# Altium PCB SuperKnobLite_v1.2.PcbDoc
Units mil, origin at the board's own origin, x right, y up, seen from the top; angles counter-clockwise.
Board outline 1653.54 x 905.51 mil, 2 copper layers (Layer 1, Layer 4), stack 12.8 mil thick; 57 components, 49 nets, 249 pads, 202 vias.
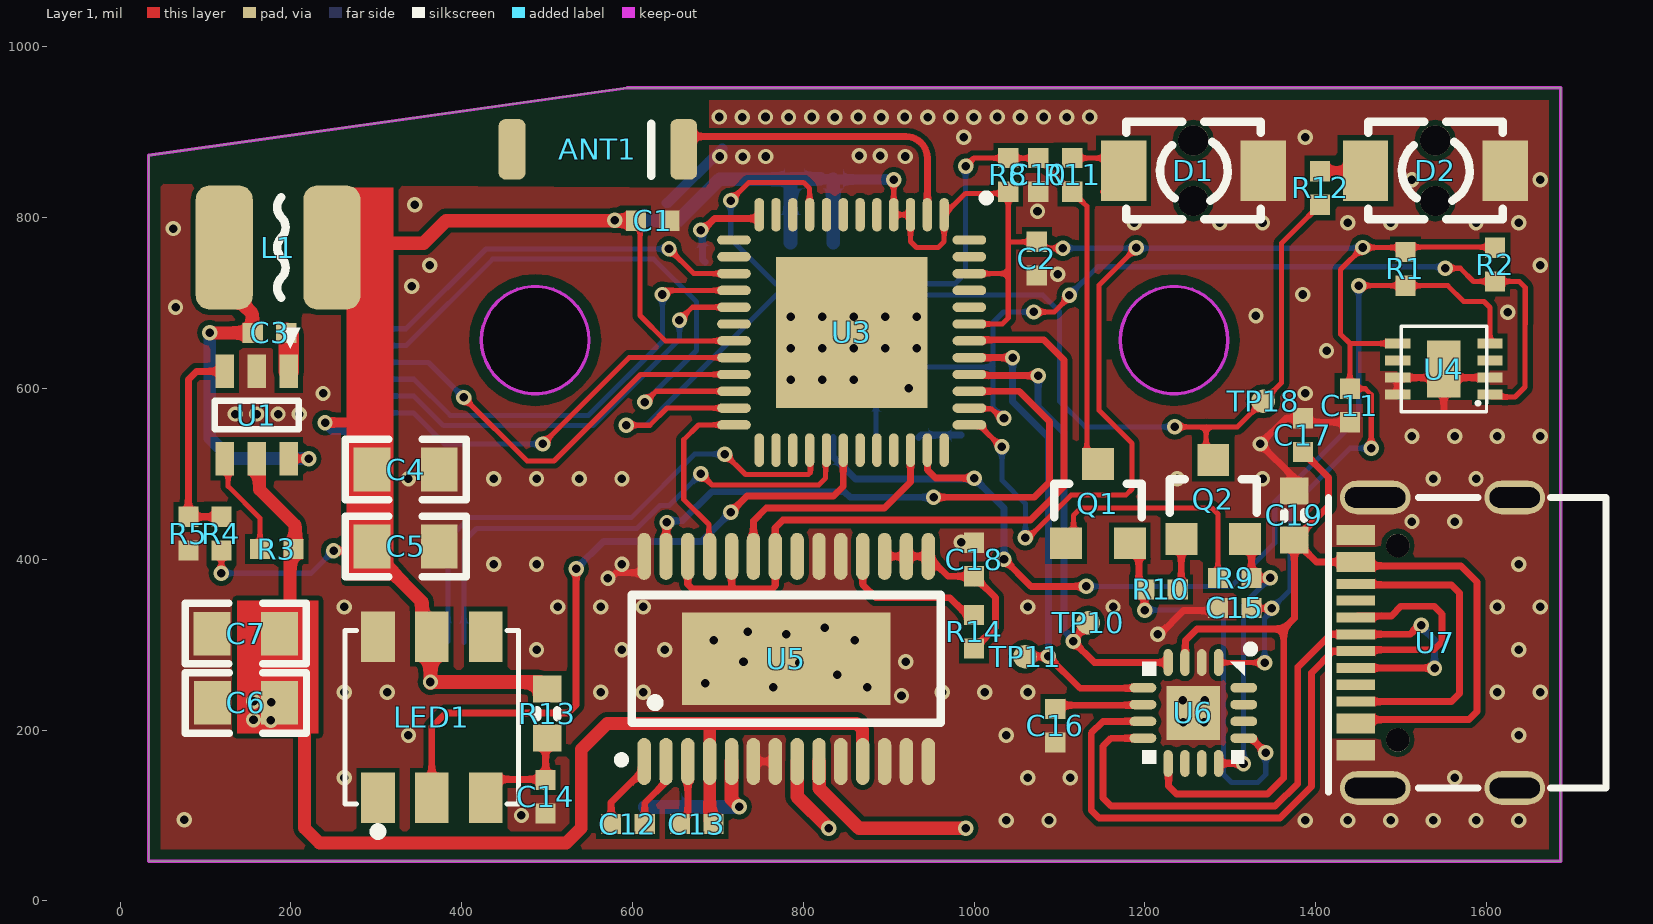
[diagram p0: Layer 1 view]
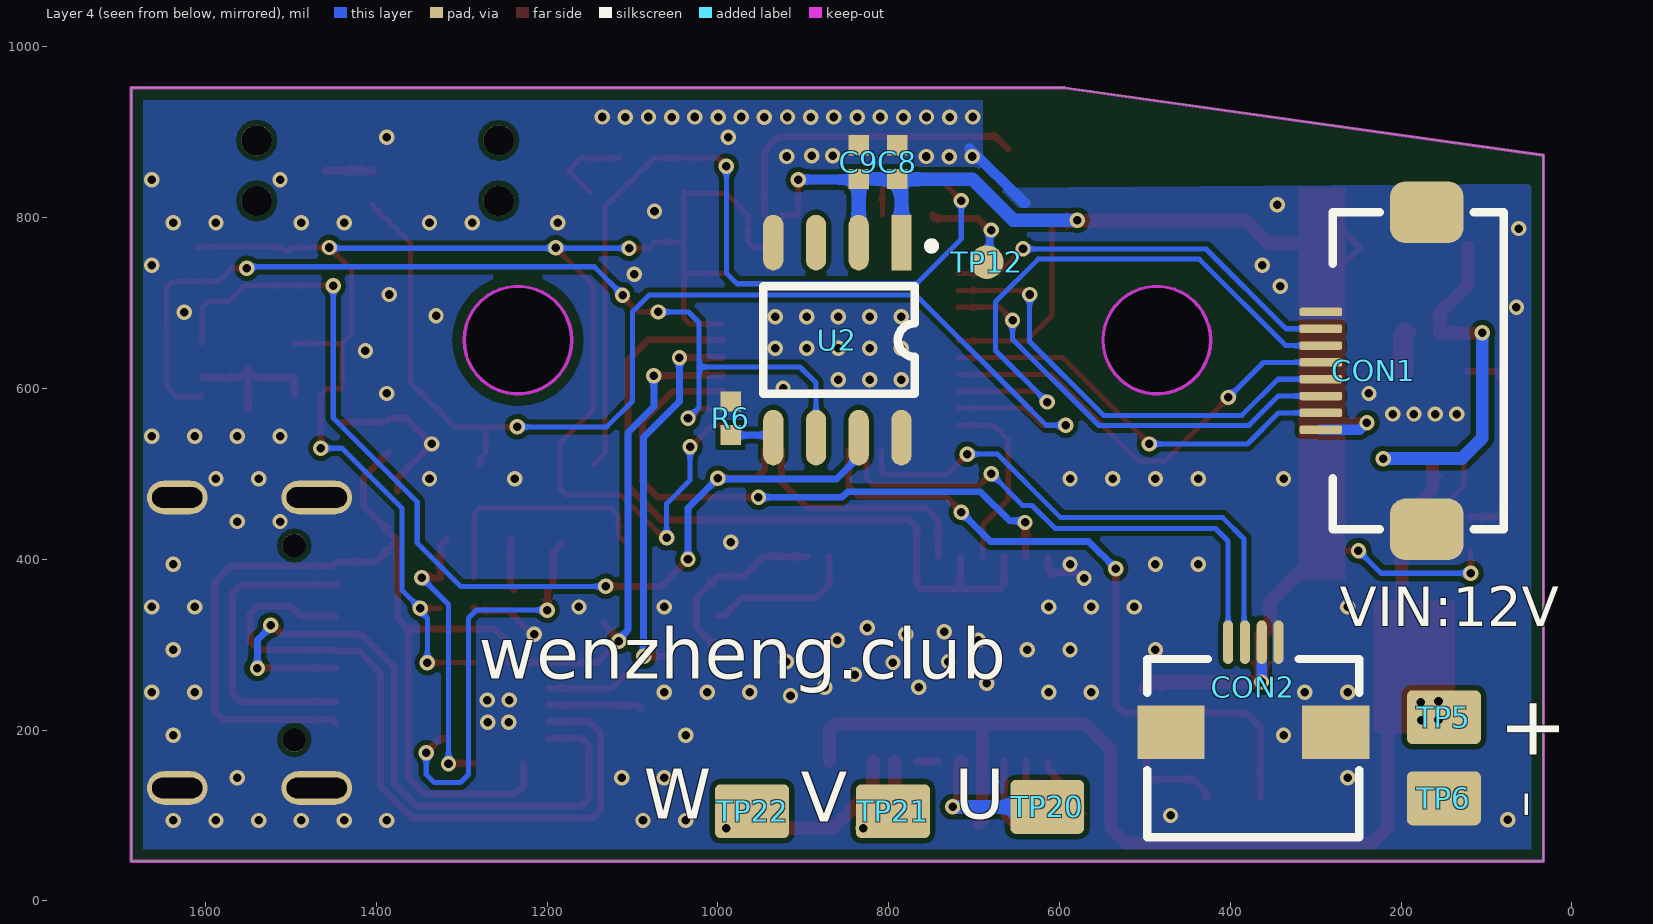
[diagram p1: Layer 4 view, seen from below]
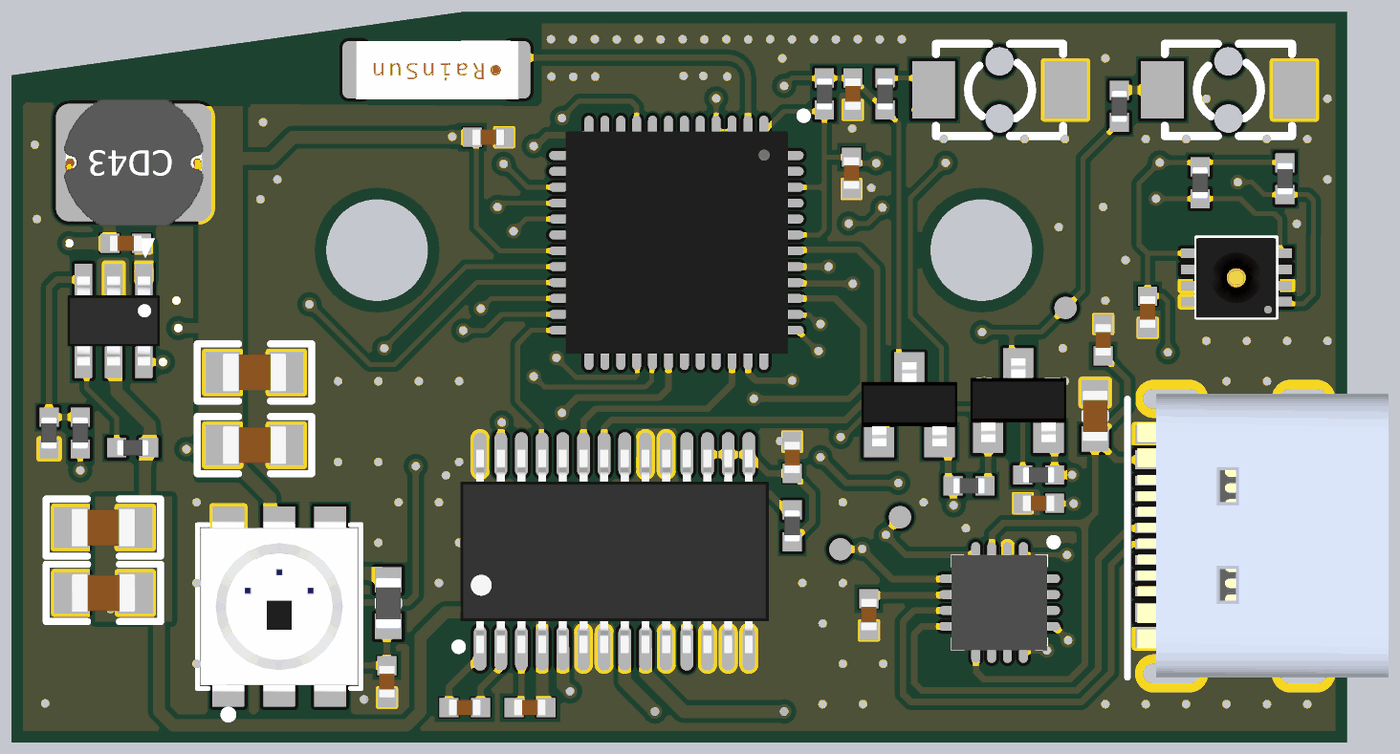
[diagram p2: 3D render of the assembled board from above, using the file's embedded part models]
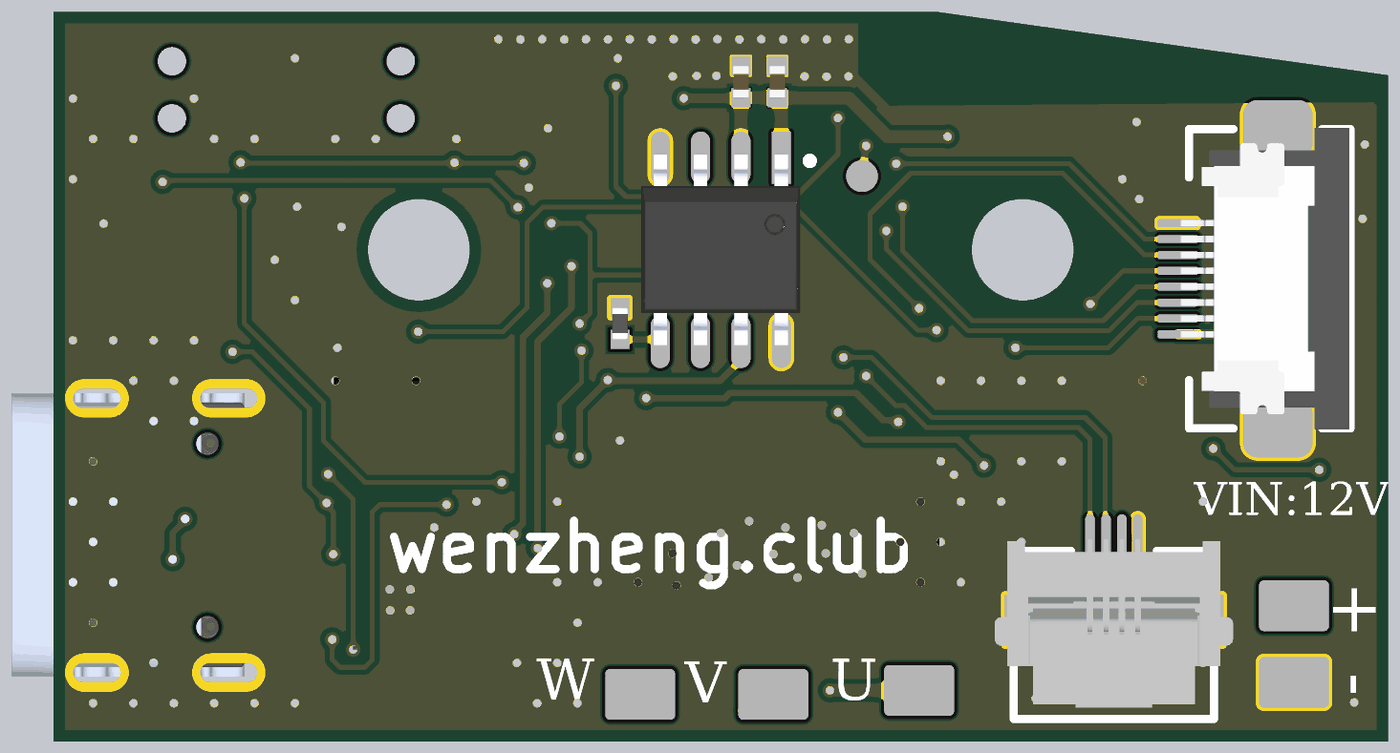
[diagram p3: 3D render of the assembled board from below, using the file's embedded part models]

## Layer stack, top to bottom
Top Solder: solder mask 0.4, Solder Resist, Dk 3.5
Layer 1: signal copper 1.4
Dielectric 2: core 10, PP-006, Dk 4.2
Layer 4: signal copper 1.4
Bottom Solder: solder mask 0.4, Solder Resist, Dk 3.5

## Board outline
33.33,46.33 33.33,873.11 593.6,951.85 1686.88,951.85 1686.88,46.33
cut-out: 486.09,593.58 cw(c486.09,656.57) 423.1,656.57 cw(c486.09,656.57) 486.09,719.56 cw(c486.09,656.57) 549.08,656.57 cw(c486.09,656.57)
cut-out: 1234.12,593.58 cw(c1234.12,656.57) 1171.13,656.57 cw(c1234.12,656.57) 1234.12,719.56 cw(c1234.12,656.57) 1297.11,656.57 cw(c1234.12,656.57)

## Design rules (kind name [scope] priority, off if disabled: settings)
Clearance Clearance_UVW1 [InComponent('TP14') vs InComponent('TP15')] p1: gap=0 ignorepadtopadclearanceinfootprint=FALSE
Clearance Clearance_UVW [InComponent('R15') vs InComponent('TP16')] p2: gap=0 ignorepadtopadclearanceinfootprint=FALSE
Clearance Clearance_outline [OnLayer('Keep-Out Layer')] p3: gap=12 ignorepadtopadclearanceinfootprint=FALSE except(0: Arc-Hole Track-Hole SMDPad-Hole THPad-Hole Via-Hole Fill-Hole Poly-Hole Region-Hole Text-Hole)
Clearance [All] p4: gap=6 ignorepadtopadclearanceinfootprint=FALSE except(0: Arc-Hole Track-Hole SMDPad-Hole THPad-Hole Via-Hole Fill-Hole Poly-Hole Region-Hole Text-Hole; 7: SMDPad-SMDPad; 8: Arc-Via Track-Via SMDPad-Via THPad-Via Via-Via)
DiffPairsRouting [All] p1: maxlimit=10 minlimit=8 mostfreqgap=8 toplayer_minwidth=8 toplayer_maxwidth=8 toplayer_prefwidth=8 bottomlayer_minwidth=8 bottomlayer_maxwidth=8 bottomlayer_prefwidth=8 maxuncoupledlength=500
HoleToHoleClearance [All] p1: gap=0 allowstackedmicrovias=TRUE
MinimumSolderMaskSliver [All] p1: minsoldermaskwidth=0
PolygonConnect [All] p1: connectstyle=Direct reliefconductorwidth=10 reliefentries=4 polygonreliefangle="90 Angle" airgapwidth=10
RoutingVias [All] p1: holewidth=10 width=18 viastyle="Through Hole" minholewidth=10 minwidth=18 maxholewidth=10 maxwidth=18
SilkToSilkClearance [All] p1: silktosilkclearance=0
SilkToSolderMaskClearance [IsPad] p1: minsilkscreentomaskgap=0 clearancetoexposedcopper=TRUE
SolderMaskExpansion [All] p1: expansion=4 istentingtop=FALSE
Width [All] p1: maxlimit=100 minlimit=6 preferedwidth=6
25 further rules are at their usual default settings.

## Components (designator, comment, footprint, x,y, rotation, side; value= is the part's Value field where it differs from the comment)
ANT1 "RAINSUN" ANT-RAINSUN-AN5120 560,880 r180 top
C1 "1uF/10V" CAPC_0402 623.8,796.41 r180 top value=0.1u
C2 "100nF/25V" CAPC_0402 1073.4,751.97 r90 top value=0.1u
C3 "10nF/25V" CAPC_0402 175,665 r0 top value=0.1u
C4 "22uF/6.3V" CAPC_0805 334.37,505 r180 top value=0.1u
C5 "22uF/6.3V" CAPC_0805 334.37,415 r180 top value=0.1u
C6 "10uF/16V" CAPC_0805 147.4,231.89 r0 top value=0.1u
C7 "10uF/16V" CAPC_0805 147.17,312.84 r0 top value=0.1u
C8 "100nF/25V" CAPC_0402 790,865 r270 bottom value=0.1u
C9 "10uF/10V" CAPC_0402 835.1,865 r270 bottom value=0.1u
C10 "100nF/25V" CAPC_0402 1075,850 r90 top value=0.1u
C11 "100nF/25V" CAPC_0402 1440,580 r90 top value=0.1u
C12 "10nF/25V" CAPC_0402 594.69,90 r180 top value=0.1u
C13 "100nF/25V" CAPC_0402 675.32,90 r180 top value=0.1u
C14 "100nF/25V" CAPC_0402 498.25,122 r270 top value=0.1u
C15 "100nF/25V" CAPC_0402 1305.1,343.01 r180 top value=0.1u
C16 "100nF/25V" CAPC_0402 1095,205 r90 top value=0.1u
C17 "100nF/25V" CAPC_0402 1385,545.31 r270 top value=0.1u
C18 "470nF/25V" CAPC_0402 1000,399.68 r270 top value=0.1u
C19 "10uF" CAPC_0603 1375,451.26 r270 top
CON1 "FPC_0.5mm_8P" FFC_0.5_8 205,620.63 r90 bottom
CON2 "FPC_0.5mm_4P" FPC_0.5_4P 373.09,250.09 r180 bottom
D1 "KEY_M" KEY 1256.69,855 r180 top
D2 "KEY_M" KEY 1540,855 r180 top
L1 "2.2uH/2A" INDUCTOR_CD_43 185,765 r180 top value=WPN4020H2R2MT
LED1 "WS2812S-W" LED-SMD_6P-L5.0-W5.0-TL 365,215 r90 top locked
Q1 "MMBT3904" SOT23_3 1145,465 r270 top
Q2 "MMBT3904" SOT23_3 1280,470 r270 top
R1 "10K" RESC_0402 1505,740 r90 top value=22R
R2 "10K" RESC_0402 1610,745 r90 top value=22R
R3 "100K" RESC_0402 183.58,411.85 r180 top value=22R
R4 "100K" RESC_0402 118.66,430 r90 top value=22R
R5 "22.2K" RESC_0402 80,430 r270 top value=22R
R6 "1K" RESC_0402 985,565 r90 bottom value=22R
R8 "10K" RESC_0402 1040,850 r90 top value=22R
R9 "12K" RESC_0402 1305.1,378.01 r0 top value=22R
R10 "12K" RESC_0402 1218.82,364.61 r180 top value=22R
R11 "1K" RESC_0402 1115,850 r270 top value=22R
R12 "1K" RESC_0402 1405,834.68 r270 top value=22R
R13 "150R" RESC_0603 500,219.21 r270 top value=22R
R14 "10K" RESC_0402 1000,315 r270 top value=22R
TP5 "TP" TP_1.6x2.2mm 150,215 r270 bottom
TP6 "TP" TP_1.6x2.2mm 150,120 r270 bottom
TP10 "TP" TP 1133.46,325.76 r90 top
TP11 "TP" TP 1059.59,285.96 r90 top
TP12 "TP" "TP - 1mm" 685.13,747.91 r90 bottom
TP18 "TP" TP 1338.39,585 r90 top
TP20 "U" TP_1.6X2.2MM 614.37,110 r90 bottom
TP21 "V" TP_1.6X2.2MM 795,105 r90 bottom
TP22 "W" TP_1.6X2.2MM 960,105 r90 bottom
U1 "LP6460B6F" SOT23_6 160,568.82 r270 top
U2 "AS5600-ASOT" SOIC_8 860.1,656.57 r0 bottom locked
U3 "ESP32_SIP" QFN-48_7X7 855,655 r270 top
U4 "SHT30-DIS-B" DFN_8 1550,622.68 r180 top
U5 "DRV8313PWP" TSSOP_28 780,283.31 r0 top locked
U6 "CH343P" QFN16_3X3 1256.69,220 r270 top value=Value
U7 "TYPE-C_16P" Type_c_16p 1540,302.24 r90 top locked

## Footprints (in the part's own frame and the unit in brackets; to place one, negate y for a bottom-side part, rotate by r counter-clockwise, add the part's x,y. Pads: shape width x height; smd on the part's side, far side on the other; paste and mask are expansions set on the pad)
ANT-RAINSUN-AN5120 [mm] "选择焊盘"
  rrect50% 0.8x1.8 smd: 1(-2.54,0) ""(2.563,0)
  silkscreen extent -1.57,-0.76 -1.57,0.79, body extent -2.57,-0.91 2.54,0.94, height 1.32
CAPC_0402 [mm]
  rect 0.6x0.6 smd mask+0.051: 1(-0.5,0) 2(0.5,0)
  body extent -0.5,-0.25 0.5,0.25, height 0.5
CAPC_0603 [mm]
  rect 0.8x0.85 smd: 1(-0.73,0) 2(0.73,0)
  silkscreen extent -0.1,-0.3 0.1,0.3, body extent -0.8,-0.4 0.8,0.4, height 0.6
CAPC_0805 [mm]
  rect 1.1x1.3 smd: 1(-1,0) 2(1,0)
  silkscreen extent -1.8,-0.9 1.8,0.9, body extent -1,-0.6 1,0.6, height 0.95
DFN_8 [mm]
  rect 0.75x0.3 smd: 1(-1.37,0.762) 2(-1.37,0.254) 3(-1.37,-0.254) 4(-1.37,-0.762) 5(1.37,-0.762) 6(1.37,-0.254) 7(1.37,0.254) 8(1.37,0.762)
  rect 1.001x1.702 smd: 9(0,0)
  silkscreen extent -1.27,-1.27 1.27,1.27, body extent -1.25,-1.24 1.27,1.26, height 0.9
FFC_0.5_8 [mil]
  rrect50% 72x86 smd: 0(-185.63,-35) 0(185.63,-35)
  rrect50% 10x50 smd: 1(-68.9,89) 2(-49.21,89) 3(-29.53,89) 4(-9.84,89) 5(9.84,89) 6(29.53,89) 7(49.21,89) 8(68.9,89)
  silkscreen extent -186,-125 186,75, body extent -187,-124 187,87, height 82
FPC_0.5_4P [mm]
  rect 2x1.6 smd: 0(-2.45,-1.34) 0(2.45,-1.34)
  oval 0.3x1.3 smd: 1(-0.75,1.34) 2(-0.25,1.34) 3(0.25,1.34) 4(0.75,1.34)
  silkscreen extent -3.15,-4.46 3.15,0.84, body extent -3.75,-4.1 3.75,1.2, height 1.88
INDUCTOR_CD_43 [mm]
  rrect50% 1.7x3.7 smd: 1(-1.6,0) 2(1.6,0)
  silkscreen extent -0.22,-1.5 0.02,1.5, body extent -2.2,-2 2.2,2, height 3.25
KEY [mm]
  rect 1.35x1.8 smd: 1(-2.075,0) 2(2.075,0)
  round 0.9 hole 0.9 unplated: ""(0,0.9) ""(0,-0.9)
  silkscreen extent -2,-1.45 2,1.45
LED-SMD_6P-L5.0-W5.0-TL [mm]
  rect 1.5x1 smd: 1(-2.4,1.6) 2(-2.4,0) 3(-2.4,-1.6) 4(2.4,-1.6) 5(2.4,0) 6(2.4,1.6)
  silkscreen extent -3.52,-2.58 2.58,2.58, body extent -2.7,-2.47 2.7,2.48, height 1.6
QFN16_3X3 [mm]
  oval 0.8x0.28 smd: 1(-1.5,0.75) 2(-1.5,0.25) 3(-1.5,-0.25) 4(-1.5,-0.75) 9(1.5,-0.75) 10(1.5,-0.25) 11(1.5,0.25) 12(1.5,0.75)
  oval 0.28x0.8 smd: 5(-0.75,-1.5) 6(-0.25,-1.5) 7(0.25,-1.5) 8(0.75,-1.5) 13(0.75,1.5) 14(0.25,1.5) 15(-0.25,1.5) 16(-0.75,1.5)
  rect 1.6x1.6 smd: 17(0,0)
  silkscreen extent -2,-1.53 1.52,1.8, body extent -1.52,-1.53 1.53,1.52, height 0.9
QFN-48_7X7 [mm]
  rect 4.5x4.5 smd: 0(-0.268,0.042)
  oval 1x0.28 smd: 1(-3.768,2.792) 2(-3.768,2.292) 3(-3.768,1.792) 4(-3.768,1.292) 5(-3.768,0.792) 6(-3.768,0.292) 7(-3.768,-0.208) 8(-3.768,-0.708) 9(-3.768,-1.208) 10(-3.768,-1.708) 11(-3.768,-2.208) 12(-3.768,-2.708) 25(3.232,-2.708) 26(3.232,-2.208) 27(3.232,-1.708) 28(3.232,-1.208) 29(3.232,-0.708) 30(3.232,-0.208) 31(3.232,0.292) 32(3.232,0.792) 33(3.232,1.292) 34(3.232,1.792) 35(3.232,2.292) 36(3.232,2.792)
  oval 0.28x1 smd: 13(-3.018,-3.458) 14(-2.518,-3.458) 15(-2.018,-3.458) 16(-1.518,-3.458) 17(-1.018,-3.458) 18(-0.518,-3.458) 19(-0.018,-3.458) 20(0.482,-3.458) 21(0.982,-3.458) 22(1.482,-3.458) 23(1.982,-3.458) 24(2.482,-3.458) 37(2.482,3.542) 38(1.982,3.542) 39(1.482,3.542) 40(0.982,3.542) 41(0.482,3.542) 42(-0.018,3.542) 43(-0.518,3.542) 44(-1.018,3.542) 45(-1.518,3.542) 46(-2.018,3.542) 47(-2.518,3.542) 48(-3.018,3.542)
  silkscreen extent -4.37,3.94 -4.17,4.14, body extent -3.79,-3.46 3.23,3.56, height 0.78
RESC_0402 [mm]
  rect 0.6x0.6 smd: 1(-0.5,0) 2(0.5,0)
  body extent -0.5,-0.25 0.5,0.25, height 0.38
RESC_0603 [mm]
  rect 0.8x0.85 smd: 1(-0.73,0) 2(0.73,0)
  silkscreen extent -0.1,-0.3 0.1,0.3, body extent -0.8,-0.4 0.8,0.4, height 0.38
SOIC_8 [mm]
  rect 0.6x1.65 smd: 1(-1.905,-2.9)
  oval 0.6x1.65 smd: 2(-0.635,-2.9) 3(0.635,-2.9) 4(1.905,-2.9) 5(1.905,2.9) 6(0.635,2.9) 7(-0.635,2.9) 8(-1.905,2.9)
  silkscreen extent -2.9,-2.9 2.2,1.6, body extent -2.5,-3.01 2.5,3.01, height 1.75
SOT23_3 [mm]
  rect 0.95x0.95 smd: 1(1.175,-0.95) 2(1.175,0.95) 3(-1.175,0)
  silkscreen extent -0.6,-1.3 0.4,1.3, body extent -1.34,-1.5 1.3,1.5, height 1.08
SOT23_6 [mm]
  rect 1x0.55 smd: 1(-1.3,0.95) 2(-1.3,0) 3(-1.3,-0.95) 4(1.3,-0.95) 5(1.3,0) 6(1.3,0.95)
  silkscreen extent -2.6,-1.25 0.43,1.3, body extent -1.4,-1.45 1.4,1.45, height 1.45
TP [mm]
  round 0.7 smd: 1(0,0)
"TP - 1mm" [mm]
  round 1 smd: 1(0,0)
TP_1.6x2.2mm [mm]
  rrect20% 1.6x2.2 smd: 1(0,0)
TP_1.6X2.2MM [mm]
  rrect20% 1.6x2.2 smd: 1(0,0)
TSSOP_28 [mm] "0.65"
  oval 0.4x1.4 smd: 1(-4.225,-3.05) 2(-3.575,-3.05) 3(-2.925,-3.05) 4(-2.275,-3.05) 5(-1.625,-3.05) 6(-0.975,-3.05) 7(-0.325,-3.05) 8(0.325,-3.05) 9(0.975,-3.05) 10(1.625,-3.05) 11(2.275,-3.05) 12(2.925,-3.05) 13(3.575,-3.05) 14(4.225,-3.05) 15(4.225,3.05) 16(3.575,3.05) 17(2.925,3.05) 18(2.275,3.05) 19(1.625,3.05) 20(0.975,3.05) 21(0.325,3.05) 22(-0.325,3.05) 23(-0.975,3.05) 24(-1.625,3.05) 25(-2.275,3.05) 26(-2.925,3.05) 27(-3.575,3.05) 28(-4.225,3.05)
  rect 6.2x2.75 smd: 29(0,0)
  silkscreen extent -5,-3.1 4.6,1.9, body extent -4.85,-3.2 4.85,3.2, height 1.2
Type_c_16p [mm]
  oval 1x1.8 hole 0.61 slot 1.5 at 90 deg: 0(-4.32,-2.362) 0(4.32,-2.362)
  oval 1x2.1 hole 0.61 slot 1.8 at 90 deg: 0(-4.32,1.787) 0(4.32,1.787)
  rect 0.6x1.15 smd: A1B12(-3.2,2.363) A4B9(-2.4,2.363) B1A12(3.2,2.363) B4A9(2.4,2.363)
  rect 0.3x1.15 smd: A5(-1.25,2.363) A6(-0.25,2.363) A7(0.25,2.363) A8(-1.75,2.363) B5(1.75,2.363) B6(0.75,2.363) B7(-0.75,2.363) B8(1.25,2.363)
  round 0.7 hole 0.7 unplated: ""(-2.89,1.117) ""(2.89,1.117)
  silkscreen extent -4.44,-5.08 4.32,3.18, body extent -4.45,-5.04 4.49,2.86, height 3.26

## Part data
ANT1: library part ANT-Rainsun-AP5120, "贴片天线"
C1 C2 C3 C4 C5 C6 C7 C8 C9 C10 C11 C12 C13 C14 C15 C16 C17 C18: library part 电容-0402, "贴片电容"
C19: library part Cap
CON1 CON2: "FPC连接器"
D1 D2: library part KEY, "按键"
L1: library part PL4020, "贴片电感", Material name=功率电感, PCB DECAL=PL4020
LED1: BOM_JLCPCB Part Class="Extended Part", BOM_Manufacturer=Worldsemi, BOM_Manufacturer Part=WS2812S-W, BOM_Supplier=LCSC, BOM_Supplier Part=C114584, Contributor=LCSC, spicePre=L, spiceSymbolName=WS2812S-W
Q1 Q2: library part SMT_TRIODE_NPN, "Surface mount NPN transistor, package SOT-23"
R1 R2 R3 R4 R5 R6 R8 R9 R10 R11 R12 R13 R14: library part 电阻-0402, "贴片电阻"
TP5 TP6 TP10 TP11 TP12 TP18: "测试点"
TP20 TP21 TP22: library part TP, "测试点"
U1: "DC-DC芯片"
U2: "磁编码器", BOM_JLCPCB Part Class="Extended Part", BOM_Manufacturer="Advanced Monolithic Systems", BOM_Manufacturer Part=AS5600-ASOT, BOM_Supplier=LCSC, BOM_Supplier Part=C499458, Contributor=LCSC, spicePre=U, spiceSymbolName=AS5600-ASOT
U3: library part ESP32-PICO, "主控芯片"
U4: "Sensor"
U5: "驱动芯片", BOM_Manufacturer=TI(德州仪器), BOM_Manufacturer Part=DRV8313PWP, BOM_Supplier=LCSC, BOM_Supplier Part=C2863441, Contributor=LCSC, spicePre=U, spiceSymbolName=DRV8313PWP
U6: "USB转TTL", PART NUMBER=CP2102, MFG #1="SILICON LABS", PART DESC="SINGLE-CHIP USB TO UART BRIDGE, QFN28, RoHS.", RefDes=RefDes, Type=DEV
U7: "Type-c"

## Via types
v1: diameter 18, hole 10, Layer 1 to Layer 4, tented both sides, 202 vias

## Nets (pads, with @x,y where several pads share a name; then routed paths per layer and width w, separated by ;. In a path a pad name is that pad's centre, name@x,y a point inside that pad or via, vN(x,y) a via of type N, cw(c..) or ccw(c..) an arc to the next point about the centre after c; other vN are vias at no path point)
3V3: C1.2 C2.2 C4.2 C5.2 C8.2 C9.2 C11.2 C15.1 CON1.1 CON2.3 L1.1 LED1.5 R1.2 R2.2 R4.1 R8.1 R13.1 U2.1 U2.2 U3.1 U3.3 U3.4 U3.19 U3.37 U3.43 U3.46 U4.5 U6.1 | length 4267.4
  Layer 1 w6: v1(118.66,383.66) R4.1 ; L1.1 L1.1@267.99,745 ; v1(250,410) 290,410 C5.2 ; C1.2 608.92,791.61 608.92,685.29 638.48,655.72 U3.19 ; v1(905.94,844.53) 905.87,844.46 U3.4 U3.3 925.56,772.03 932.59,765 952.5,765 952.57,765.07 957.9,765.07 964.93,772.1 U3.1 990,828.43 1038.12,828.43 R8.1 1040,770 ; U3.37 1005.83,557.3 1032.6,530.53 v1(1032.6,531.54) ; U3.43 1032.97,675.41 1040,682.44 1040,734.46 ; U3.46 1040,734.46 ; v1(1060,425) 1063.38,425 1113.38,475 1177.64,475 1185,482.36 1185,535.7 1146.24,574.47 1146.24,720.92 v1(1190,764.68) ; v1(1104.05,764.16) 1080.89,764.16 C2.2 1041.66,771.66 1040,770 ; U6.1 1286.34,278.94 v1(1340.13,278.94) ; C15.1 1325.29,342.5 v1(1348.42,342.5) ; v1(1465,530) 1465,592.68 1457.99,599.68 C11.2 1440,652.52 ; U4.5 1440.16,652.68 1440,652.52 ; R2.2 1609.26,765.42 1510.74,765.42 R1.2 1499.69,765 v1(1455,765) 1429.14,739.14 1429.14,663.38 1440,652.52 ; 1040,734.46 1040,770
  Layer 1 w8: L1.1 307.99,825
  Layer 1 w12: v1(240,560) 275,560
  Layer 1 w16: C5.2 295,408.55 297.51,408.55 311,395.06 311,392.55 353.32,350.23 353.32,321.17 LED1.5 363.47,307.96 v1(363.47,256.29) ; 310,770 355.36,770 381.77,796.41 C1.2 ; v1@363.47,255.04 v1(363.47,256.29) ; R13.1 491.67,256.29 v1(363.47,256.29)
  Layer 4 w6: v1(118.66,383.66) 223.66,383.66 v1(250,410) ; v1(1032.6,531.54) 1032.6,492.38 1060,464.98 v1(1060,425) ; v1(1104.05,764.16) 1454.16,764.16 v1(1455,765) ; v1(1340.13,278.94) 1340.13,330.97 1348.42,339.25 v1(1348.42,342.5) 1369.74,363.82 1369.74,459.74 1440,530 v1@1460,530
  Layer 4 w12: v1(240,560) 248.27,551.73 CON1.1 ; CON2.3 363.16,302.76 363.16,254.73 363.47,255.04 v1(363.47,256.29) ; 820,845.31 820.32,845 835.1,845 835.58,844.53 v1(905.94,844.53)
  Layer 4 w16: v1(579.13,797.06) 654.06,797.06 702,845 786.19,845 786.5,845.31 C8.2 ; U2.1 785.1,840.42 C8.2 ; 820,845.31 C8.2 ; U2.2 C9.2@835.1,845
12V: C6.2 C7.2 C13.1 R3.1 TP5.1 U1.5 U5.4 U5.11 | length 1419
  Layer 1 w15: U1.5 163.33,514.31 163.33,481.67 205,440 R3.1@205,411.85 ; R3.1 199.05,407.64 199.05,325.36 C7.2 186.65,312.73 186.65,232 C6.2 186.77,227.95 216.13,198.59 216.13,85.38 233.7,67.8 522.43,67.8 540,85.38 540,177.31 570.45,207.76 849.36,207.76 862.24,207.76 869.42,200.58 U5.11@869.42,183.26 ; 690.43,204.16 U5.4 690.43,94.57 C13.1 ; U5.11@869.42,183.26 869.42,163.37 U5.11 869.57,183.12 U5.11@869.42,183.26
  other v1: 176.37,211.31 156.27,211.94 156.24,233.56 177.11,232.78
BLK: CON1.7 U3.15 | length 475.6
  Layer 1 w6: v1(642.75,763.36) 671.64,734.46 U3.15
  Layer 4 w6: CON1.7 334.84,669.84 428.36,763.36 v1(642.75,763.36)
BOOT: C10.2 Q1.3 R8.2 R11.2 U3.9 | length 1083.7
  Layer 1 w6: v1(715,820) 736.19,841.19 800.42,841.19 807.45,834.16 U3.9 ; v1(990,860) 999.69,869.68 R8.2 C10.2 1114.37,830.31 R11.2 1131.97,813.35 1131.97,524.29 Q1.3
  Layer 4 w6: v1(715,820) 715,775 767.47,722.53 977.65,722.53 990,734.88 v1(990,860)
CC1: U7.A8 U7.B5 | length 368.7
  Layer 1 w8: U7.A8 1558.87,233.35 1568.24,242.72 1568.24,360.63 1558.87,370 1448.11,370 U7.B5
CS: CON1.5 U3.21 | length 514.7
  Layer 1 w6: v1(402.3,589.42) 476.71,515 507.97,515 609.32,616.35 U3.21
  Layer 4 w6: CON1.5 361.24,630.47 v1(402.3,589.42)
DC: CON1.4 U3.16 | length 535.2
  Layer 1 w6: v1(635,710) 639.78,714.78 U3.16
  Layer 4 w6: CON1.4 344.21,610.79 386.53,568.47 548.47,568.47 635,655 v1(635,710)
DTR: Q2.2 R9.2 U6.12 | length 331.7
  Layer 1 w8: U6.12 1315.1,160.94 v1(1315.43,160.62) ; Q2.2 1324.79,416.36 R9.2 1326.42,379.64 1327.88,378.17 v1(1346.57,378.17)
  Layer 4 w6: v1(1315.43,160.62) 1315.43,347.04 v1(1346.57,378.17)
EN: U3.42 U5.22 U5.24 U5.26 | length 874.6
  Layer 1 w8: U5.26 664.84,370.16 670,365 716.02,365 720,365 ; U5.24 716.02,368.98 720,365 ; U3.42 995.77,657.04 1081.48,657.04 1105.17,633.35 1105.17,485.17 1066,446 776,446 767.2,437.2 U5.22 767.2,369.13 763.08,365 720,365
GND: C1.1 C2.1 C4.1 C5.1 C6.1 C7.1 C8.1 C9.1 C10.1 C11.1 C14.2 C15.2 C16.1 C17.1 C18.1 C19.1 CON1.0 CON1.8 CON2.0 CON2.4 D1.1 D2.1 LED1.6 R5.2 R6.2 TP6.1 U1.2 U2.4 U2.8 U3.0 U4.2 U4.7 U4.8 U4.9 U5.6 U5.7 U5.10 U5.12 U5.13 U5.14 U5.19 U5.20 U5.28 U5.29 U6.2 U6.17 U7.0 U7.A1B12 U7.B1A12 | length 635
  Layer 1 w8: v1(571.29,377.62) 573.99,377.62 580.5,384.13 610.08,384.13 613.66,387.71 U5.28 ; U5.6 U5.7 ; v1(1215,312.09) 1217.4,312.09 1245.16,339.84 1282.25,339.84 C15.2 ; C19.1 1375,495 v1(1335,535) 1365,565 C17.1 1389.69,560.31 C11.1 ; U4.8 U4.7 1540,612.68 U4.9 U4.9@1550,616.77 ; 1550,575 U4.9@1550,616.77 ; U4.2 1560,612.68 1555.91,616.77 U4.9@1550,616.77
  Layer 4 w12: 639.71,817.21 641.45,817.21 705,880.76
  other v1: 1037.68,94.12 1087.68,94.12 1387.68,94.12 1437.68,94.12 1487.68,94.12 1537.68,94.12 1587.68,94.12 1637.68,94.12 75.32,95 470,100 262.68,144.12 1062.68,144.12 1112.68,144.12 1562.68,144.12 337.68,194.12 1037.68,194.12 1637.68,194.12 1245.01,209.33 1269.68,209.16 1244.51,235.16 1270.18,235.16 915,240 262.68,244.12 312.68,244.12 562.68,244.12 612.68,244.12 962.68,244.12 1012.68,244.12 1062.68,244.12 1612.68,244.12 1662.68,244.12 765,250 875,250 685,255 840,265 795,279.06 730,280 920,280 487.68,294.12 587.68,294.12 637.68,294.12 1637.68,294.12 695,305 860,305 780,312.09 735,315 825,320 262.68,344.12 512.68,344.12 562.68,344.12 612.68,344.12 1062.68,344.12 1162.68,344.12 1612.68,344.12 1662.68,344.12 437.68,394.12 487.68,394.12 587.68,394.12 1637.68,394.12 985,420 1512.68,444.12 1562.68,444.12 337.68,494.12 437.68,494.12 487.68,494.12 537.68,494.12 587.68,494.12 1237.68,494.12 1337.68,494.12 1537.68,494.12 1587.68,494.12 1512.68,544.12 1562.68,544.12 1612.68,544.12 1662.68,544.12 135,570 160,570 185,570 210,570 237.68,594.12 1387.68,594.12 923.74,600 785.48,610.05 822.35,610.05 859.22,610.05 1412.68,644.12 785.48,646.92 822.35,646.92 859.22,646.92 896.09,646.92 932.96,646.92 785.48,683.79 822.35,683.79 859.22,683.79 896.09,683.79 932.96,683.79 1330,685 1624.65,689.08 65,695 1385,710 341.72,719.43 1097.88,733.74 362.68,744.12 1662.68,744.12 62.29,787.19 1187.68,794.12 1287.68,794.12 1337.68,794.12 1437.68,794.12 1487.68,794.12 1587.68,794.12 1637.68,794.12 1074.24,807.24 345,815 1512.68,844.12 1662.68,844.12 701.99,871.58 728.99,871.32 756.25,871.58 919.56,871.58 865.56,872.36 889.96,872.36 987.68,894.12 1387.68,894.12 728.47,917.54 782.73,917.54 837,917.54 891.26,917.54 945.52,917.54 999.78,917.54 1054.05,917.54 1108.31,917.54 701.47,917.8 755.73,917.8 809.99,917.8 864.26,917.8 918.52,917.8 972.78,917.8 1027.05,917.8 1081.31,917.8 1135.57,917.8
GPIO0: Q2.3 R12.2 TP18.1 U3.23 | length 1384.8
  Layer 1 w6: v1(592.75,556.95) 620.24,556.95 640.27,576.98 U3.23 ; v1(1235,555) 1271.69,555 ; Q2.3@1276.87,513.13 1278.74,511.26 Q2.3@1280,511.26 ; Q2.3 1271.69,524.57 1271.69,555 ; R12.2 1360,770 1360,606.61 TP18.1 1308.39,555 1271.69,555
  Layer 4 w6: v1(592.75,556.95) 615.66,556.95 650.91,592.19 768.24,709.53 1080.32,709.53 1100,689.84 1100,585 1130,555 v1(1235,555)
IIC_SCL: R1.1 U2.7 U3.35 U4.4 | length 1289.3
  Layer 1 w6: v1(1450.32,720.31) R1.1 1554.69,720.31 1573.26,701.74 1596.91,701.74 1603.94,694.71 U4.4
  Layer 1 w8: U3.35 945.24,504.76 955,495 v1(1000,495) ; v1(1035,400) 1066.81,368.19 v1(1131.33,368.19)
  Layer 4 w6: v1(1131.33,368.19) 1301.13,368.19 1352.04,419.11 1352.04,467.04 1450.32,565.31 v1(1450.32,720.31)
  Layer 4 w8: U2.7 835.1,519.9 861,494 999,494 v1(1000,495) 1035,460 v1(1035,400)
IIC_SDA: R2.1 U2.6 U3.38 U4.1 | length 1197
  Layer 1 w6: U3.38 995.42,576.02 1020.73,576.02 1031.75,565 v1(1035,565) ; v1(1070,689.53) 1093.83,689.53 1111.66,707.36 v1(1111.66,709.32) ; v1(1551.57,740.75) 1569.25,740.75 1584.69,725.31 R2.1 1638.29,725.31 1645.32,718.29 1645.32,675.31 1645,675 1645,601.67 1633.33,590 1606.61,590 U4.1
  Layer 4 w6: U2.6 885.1,606.53 903.72,625.15 1022.1,625.15 ; v1(1035,565) 1022.1,577.9 1022.1,625.15 ; v1(1070,689.53) 1034.53,689.53 1022.1,677.1 1022.1,625.15 ; v1(1111.66,709.32) 1144.81,742.47 1549.86,742.47 v1(1551.57,740.75)
LED_DAT: LED1.2 U3.30 | length 817.4
  Layer 1 w8: LED1.2 365,203.5 381.5,220 524.63,220 534,229.37 v1(534,389) ; v1(715,455) 734,474 835.35,474 846.82,485.47 U3.30
  Layer 4 w8: v1(534,389) 565.9,420.9 680.9,420.9 v1(715,455)
MOSI: CON1.2 U3.20 | length 481.8
  Layer 1 w6: v1(495,535) 596.04,636.04 U3.20
  Layer 4 w6: CON1.2 343.58,571.42 380,535 v1(495,535)
NetANT1_1: ANT1.1 U3.2 | length 372.3
  Layer 1 w8: ANT1.1 675,895 920,895 cw(c920,869.76) 945.24,869.76 U3.2
NetC3_1: C3.1 L1.2 U1.6 | length 436.9
  Layer 1 w8: U1.6 197.63,517.87 v1(220.96,517.87)
  Layer 1 w15: v1(105,665) C3.1 154.88,665.44 154.88,687.76 122.01,720.63 L1.2
  Layer 4 w15: v1(105,665) 105,541.96 129.32,517.64 129.55,517.87 v1(220.96,517.87)
NetC3_2: C3.2 U1.1 | length 46.1
  Layer 1 w24: C3.2 197.4,662.28 U1.1
NetC12_1: C12.1 U5.2 | length 83.5
  Layer 1 w8: C12.1 614.37,114.37 639.25,139.25 U5.2
NetC12_2: C12.2 U5.1 | length 89.2
  Layer 1 w8: C12.2 575,115 613.66,153.66 U5.1
NetC13_2: C13.2 U5.3 | length 77
  Layer 1 w8: C13.2 664.84,99.21 U5.3
NetC14_1: C14.1 LED1.3 R13.2 | length 133.8
  Layer 1 w8: LED1.3 427.99,126.58 443.68,142.27 C14.1@498.25,142.27 ; C14.1 C14.1@498.25,142.27 ; R13.2 497.95,190.47 498.25,190.17 C14.1@498.25,142.27
NetC16_2: C16.2 U6.6 | length 109.8
  Layer 1 w8: C16.2@1090,224.68 1094.31,229 1196.8,229 U6.6
NetC18_2: C18.2 R14.2 U5.15 U5.16 U5.17 | length 219.9
  Layer 1 w8: U5.17 U5.16 U5.15 969.72,380 C18.2 1025,355 1025,320.31 R14.2
NetD1_2: D1.2 R11.1 | length 101
  Layer 1 w6: R11.1 1160.32,869.68 D1.2 D1.2@1150.32,830.31
NetD2_2: D2.2 R12.1 | length 53.6
  Layer 1 w10: R12.1 1405.63,855 D2.2
NetQ1_1: Q1.1 R9.1 | length 286.8
  Layer 1 w6: Q1.1 1116.41,427.55 1116.41,451.41 1125,460 1278.39,460 1285.42,452.97 R9.1
NetQ2_1: Q2.1 R10.1 | length 60.8
  Layer 1 w8: R10.1 1242.6,368.7 Q2.1
NetR3_2: R3.2 U1.4 | length 122.9
  Layer 1 w6: U1.4 126.58,513.66 126.58,485.41 163.89,448.09 R3.2
NetR4_2: R4.2 R5.1 U1.3 | length 246.1
  Layer 1 w8: R4.2 R5.1 80,610.63 89.37,620 U1.3
NetR6_1: R6.1 U2.5 | length 51.1
  Layer 4 w8: U2.5 938.02,545.31 R6.1
NetR14_1: R14.1 U5.18 | length 178.2
  Layer 1 w8: U5.18 869.57,370.43 885,355 971.46,355 991.77,334.68 R14.1
PWM1: U3.39 U5.27 | length 696.3
  Layer 1 w8: U5.27 639.75,403.89 639.75,443.84 639.11,443.2 639.26,443.06 v1(640.39,443.06) ; v1(952.5,472.5) 1070.18,472.5 1088.27,490.59 1088.27,561.31 1052.91,596.67 U3.39
  Layer 4 w8: v1(640.39,443.06) 640.39,445.03 640.3,445.12 658.84,445.12 692.72,479 848.5,479 855,472.5 v1(952.5,472.5)
PWM2: U3.24 U5.25 | length 215.3
  Layer 1 w6: U5.25 689.47,404.35 689.47,440.53 660,470 660,540 677.3,557.3 U3.24
PWM3: U3.34 U5.23 | length 281.6
  Layer 1 w8: U5.23 741.61,445 756.61,460 895,460 925.56,490.56 U3.34
RST: CON1.6 U3.22 | length 695.6
  Layer 1 w6: v1(614.49,584.06) 614.91,584.06 627.52,596.67 U3.22
  Layer 4 w6: CON1.6 335.16,650.16 436.36,751.36 625.01,751.36 675,701.37 675,644.57 v1(614.49,584.06)
RTS: Q1.2 R10.2 U6.13 | length 480.1
  Layer 1 w8: Q1.2 1192.99,408.15 1192.99,370.76 R10.2 1199.49,364.27 1199.49,340.83 v1(1199.84,340.49) ; U6.13 1324.53,190.47 1341.46,173.54 v1(1341.46,173.26)
  Layer 4 w6: v1(1199.84,340.49) 1282.52,340.49 1291.89,331.11 1291.89,148.01 1301.27,138.64 1332.08,138.64 1341.46,148.01 v1(1341.46,173.26)
SCLK: CON1.3 U3.17 | length 509.7
  Layer 1 w6: v1(655,680) 670.09,695.09 U3.17
  Layer 4 w6: CON1.3 343.9,591.1 378.53,556.47 553.79,556.47 655,657.68 v1(655,680)
TOUCH1: TP12.1 U3.12 | length 117.2
  Layer 1 w8: v1(679.99,785.45) 682.7,785.45 696.25,799 747,799 748.39,800.4 U3.12
  Layer 4 w8: v1(679.99,785.45) 681.9,783.53 681.9,751.13 TP12.1
U: TP20.1 U5.5 | length 167.6
  Layer 1 w16: U5.5 716.02,118.98 v1(725,110)
  Layer 4 w16: TP20.1 v1(725,110)
U0_RXD: TP10.1 U3.40 U6.4 | length 559.8
  Layer 1 w8: U3.40 995.81,615 v1(1075,615) ; TP10.1 1133.46,323.6 1115.91,306.05 v1(1115.91,303.9) 1140.75,279.06 U6.4
  Layer 4 w8: v1(1075,615) 1075,578.62 1105.15,548.46 1105.15,317.36 1115.91,306.61 v1(1115.91,303.9)
U0_TXD: TP11.1 U3.41 U6.5 | length 572
  Layer 1 w8: U3.41 v1(1045,636.04) ; TP11.1 1059.81,286.18 1086.52,286.18 v1(1086.73,286.39) 1124.19,248.94 1197.64,248.94 U6.5
  Layer 4 w8: v1(1045,636.04) 1045,584.7 1087.02,542.68 1087.02,286.68 v1(1086.73,286.39)
U1_RXD: CON2.2 U3.28 | length 624.5
  Layer 1 w6: v1(708.13,523.13) 732.18,499.08 805.9,499.08 808.41,501.59 808.41,526.81 U3.28
  Layer 4 w6: CON2.2 384.05,303.96 384.05,423.8 408.92,448.67 598.51,448.67 672.97,523.13 v1(708.13,523.13)
U1_TXD: CON2.1 U3.29 | length 616.4
  Layer 1 w6: v1(680,500) 680.11,500 693.03,487.08 818.14,487.08 826.17,495.12 826.17,526.81 U3.29
  Layer 4 w6: CON2.1 402.62,421.46 417.23,436.07 605.11,436.07 632.1,463.06 643.06,463.06 v1(680,500)
USB_DM: U6.8 U7.A7 U7.B7 | length 806.8
  Layer 1 w8: U6.8 1160.48,190.47 1151.11,181.1 1151.11,120.37 1160.48,111 1352.45,111 1379,137.55 1379,273.7 1417.39,312.09 1510.3,312.09 1520.93,322.71 v1(1523.64,322.71) ; U7.B7 1534.58,272.72 1537.29,270 1539.11,271.82 v1(1539.11,272.58)
  Layer 4 w8: v1(1523.64,322.71) 1524.37,322.71 1524.37,320.08 1539.11,305.34 v1(1539.11,272.58)
USB_DP: U6.7 U7.A6 U7.B6 | length 876.9
  Layer 1 w8: U6.7 1150.99,210.16 1137.11,196.27 1137.11,106.37 1146.48,97 1358.25,97 1395,133.75 1395,267.07 1420.33,292.4 U7.A6 1448.58,294.01 1538.51,294.01 1547.88,303.38 1547.88,335.63 1538.51,345 1500,345 1488.68,333.68 1448.87,333.68 U7.B6
V: TP21.1 U5.8 | length 93.6
  Layer 1 w16: U5.8 792.8,122.2 v1(830,85)
VUSB: C17.2 C19.2 U6.3 U6.9 U7.A4B9 U7.B4A9 | length 1270.2
  Layer 1 w8: U6.9 1227.74,160.37 1227.74,134.37 1237.12,125 1343.62,125 1362.46,143.84 1362.46,318.42 ; U6.3 1247.43,279.63 1247.43,304.81 1261.04,318.42 1362.46,318.42 ; C17.2 1415,495.63 1415,462.48 1387.73,435.21 1387.73,434.27 1375.98,422.52 C19.2 ; U7.A4B9 1451.46,212.24 1579.57,212.24 1588.95,221.62 1588.95,373.45 1570.15,392.24 1451.46,392.24 U7.B4A9 1400.79,396.73 C19.2 ; 1362.46,318.42 1375,330.96 C19.2
W: TP22.1 U5.9 | length 222.3
  Layer 1 w16: U5.9@818.39,143.67 U5.9 ; U5.9@818.51,143.67 818.51,131.84 865.36,85 v1(990,85)
pads on no net: ANT1. D1. D2. LED1.1 LED1.4 U2.3 U3.5 U3.6 U3.7 U3.8 U3.10 U3.11 U3.13 U3.14 U3.18 U3.25 U3.26 U3.27 U3.31 U3.32 U3.33 U3.36 U3.44 U3.45 U3.47 U3.48 U4.3 U4.6 U5.21 U6.10 U6.11 U6.14 U6.15 U6.16 U7. U7.A5 U7.B8

## Polygon pours and split planes (outlines as drawn)
GND on Layer 1 "GND_L01_P018" (solid, remove dead copper, pour order 18): -47.92,1134.52 -12.92,1169.52 1827.08,1169.52 1827.08,64.52 1707.08,-55.48 1702.08,-50.48 -57.92,-50.48 -57.92,1129.52 -47.92,1139.52
GND on Layer 4 "GND_L02_P020" (solid, remove dead copper, pour order 20): -35,1065 -25,1055 1800,1055 1800,-150 1760,-190 1660,-90 -110,-90 -110,985 -35,1060

## Keep-outs
Keep-Out Layer:
  circle w3.94: c486.09,656.57 r62.99
  circle w3.94: c1234.12,656.57 r62.99
  lines w3.94: 33.33,46.33 1686.88,46.33 1686.88,951.85 593.6,951.85 33.33,873.11 33.33,46.33

## Other copper
Layer 1:
  rectangle net 12V: 137.12,196.14 232.09,351.45
  rectangle net 3V3: 265,375 320,835
  pour cut-out: -40,975 435,980 690,980 690,840 685,835 -20,840
  pour cut-out: 748.39,803.36 964.93,803.36 994.46,773.83 994.46,557.3 964.93,527.77 748.39,527.77 718.87,557.3 718.87,773.83
  pour cut-out: 1496.06,662.26 1603.94,662.26 1603.94,586.73 1496.06,586.73
  pour cut-out: 143.62,828.94 143.62,687.3 227.21,687.3 235,695.09 235,835 149.69,835
Layer 4:
  pour cut-out: -40,975 435,980 690,980 690,840 685,835 -20,840

## Silkscreen, mask and mechanical layers (free items; w line width, h text height)
Bottom Overlay:
  text "VIN:12V" at 271.99,306.45 h80
  text "wenzheng.club" at 1280,260 h60
  text "+" at 98.77,241.18 h120 r90
  text "-" at 100,130 h120 r90
  text "U" at 722.42,76.87 h100
  text "W" at 1086.64,76.87 h100
  text "V" at 902.7,73.21 h100